# Altium PCB APC1_Wireless.PcbDoc
Units mm, origin at the board's own origin, x right, y up, seen from the top; angles counter-clockwise.
Board outline 44 x 44 mm, 2 copper layers (Top Layer, Bottom Layer), stack 1.569 mm thick; 23 components, 31 nets, 160 pads, 34 vias.
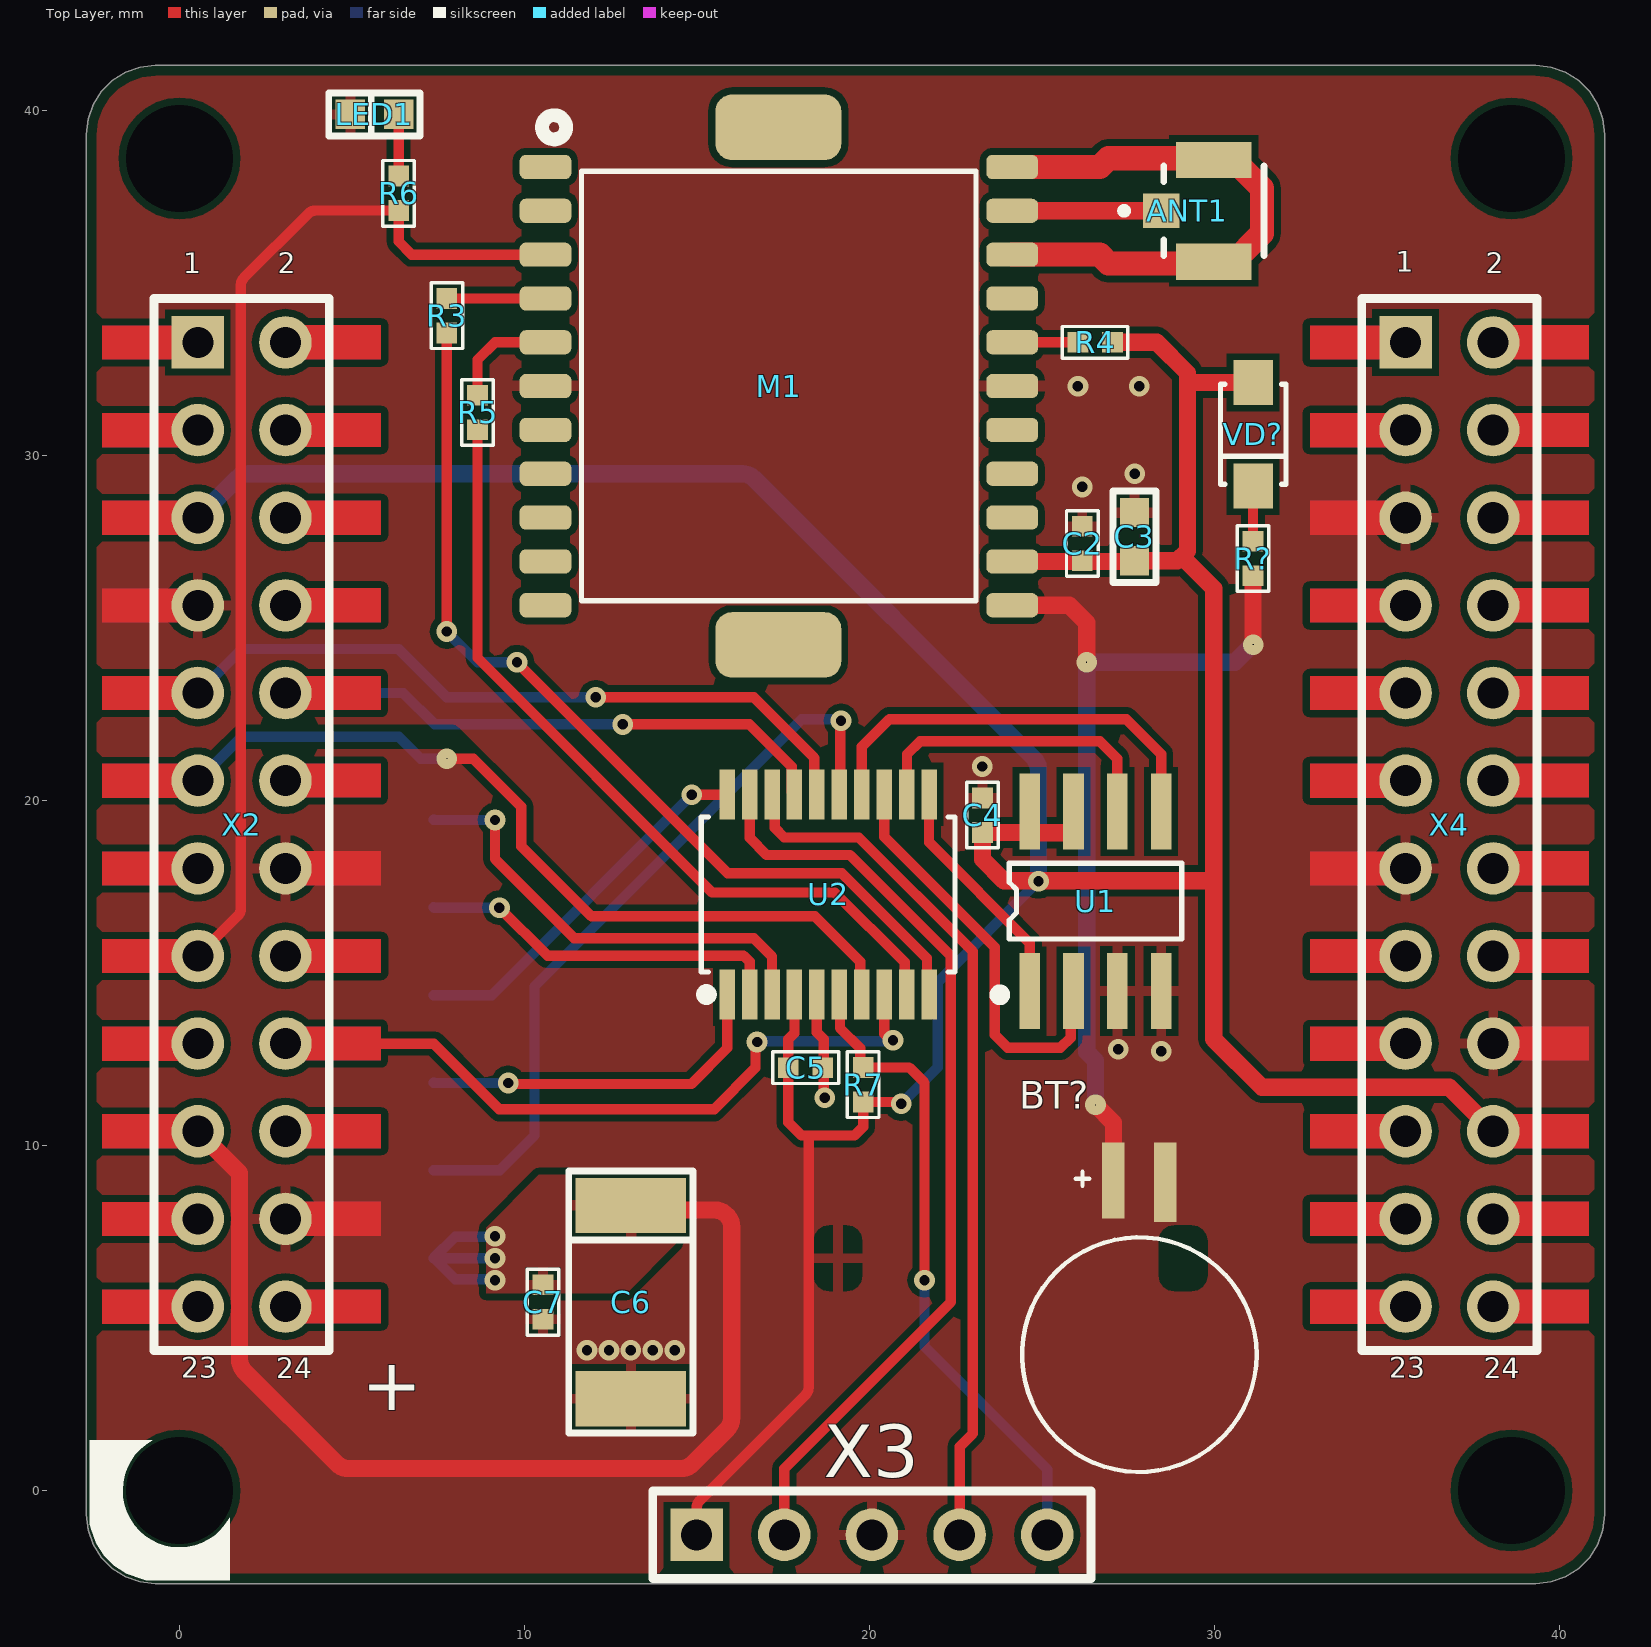
[diagram p0: Top Layer view]
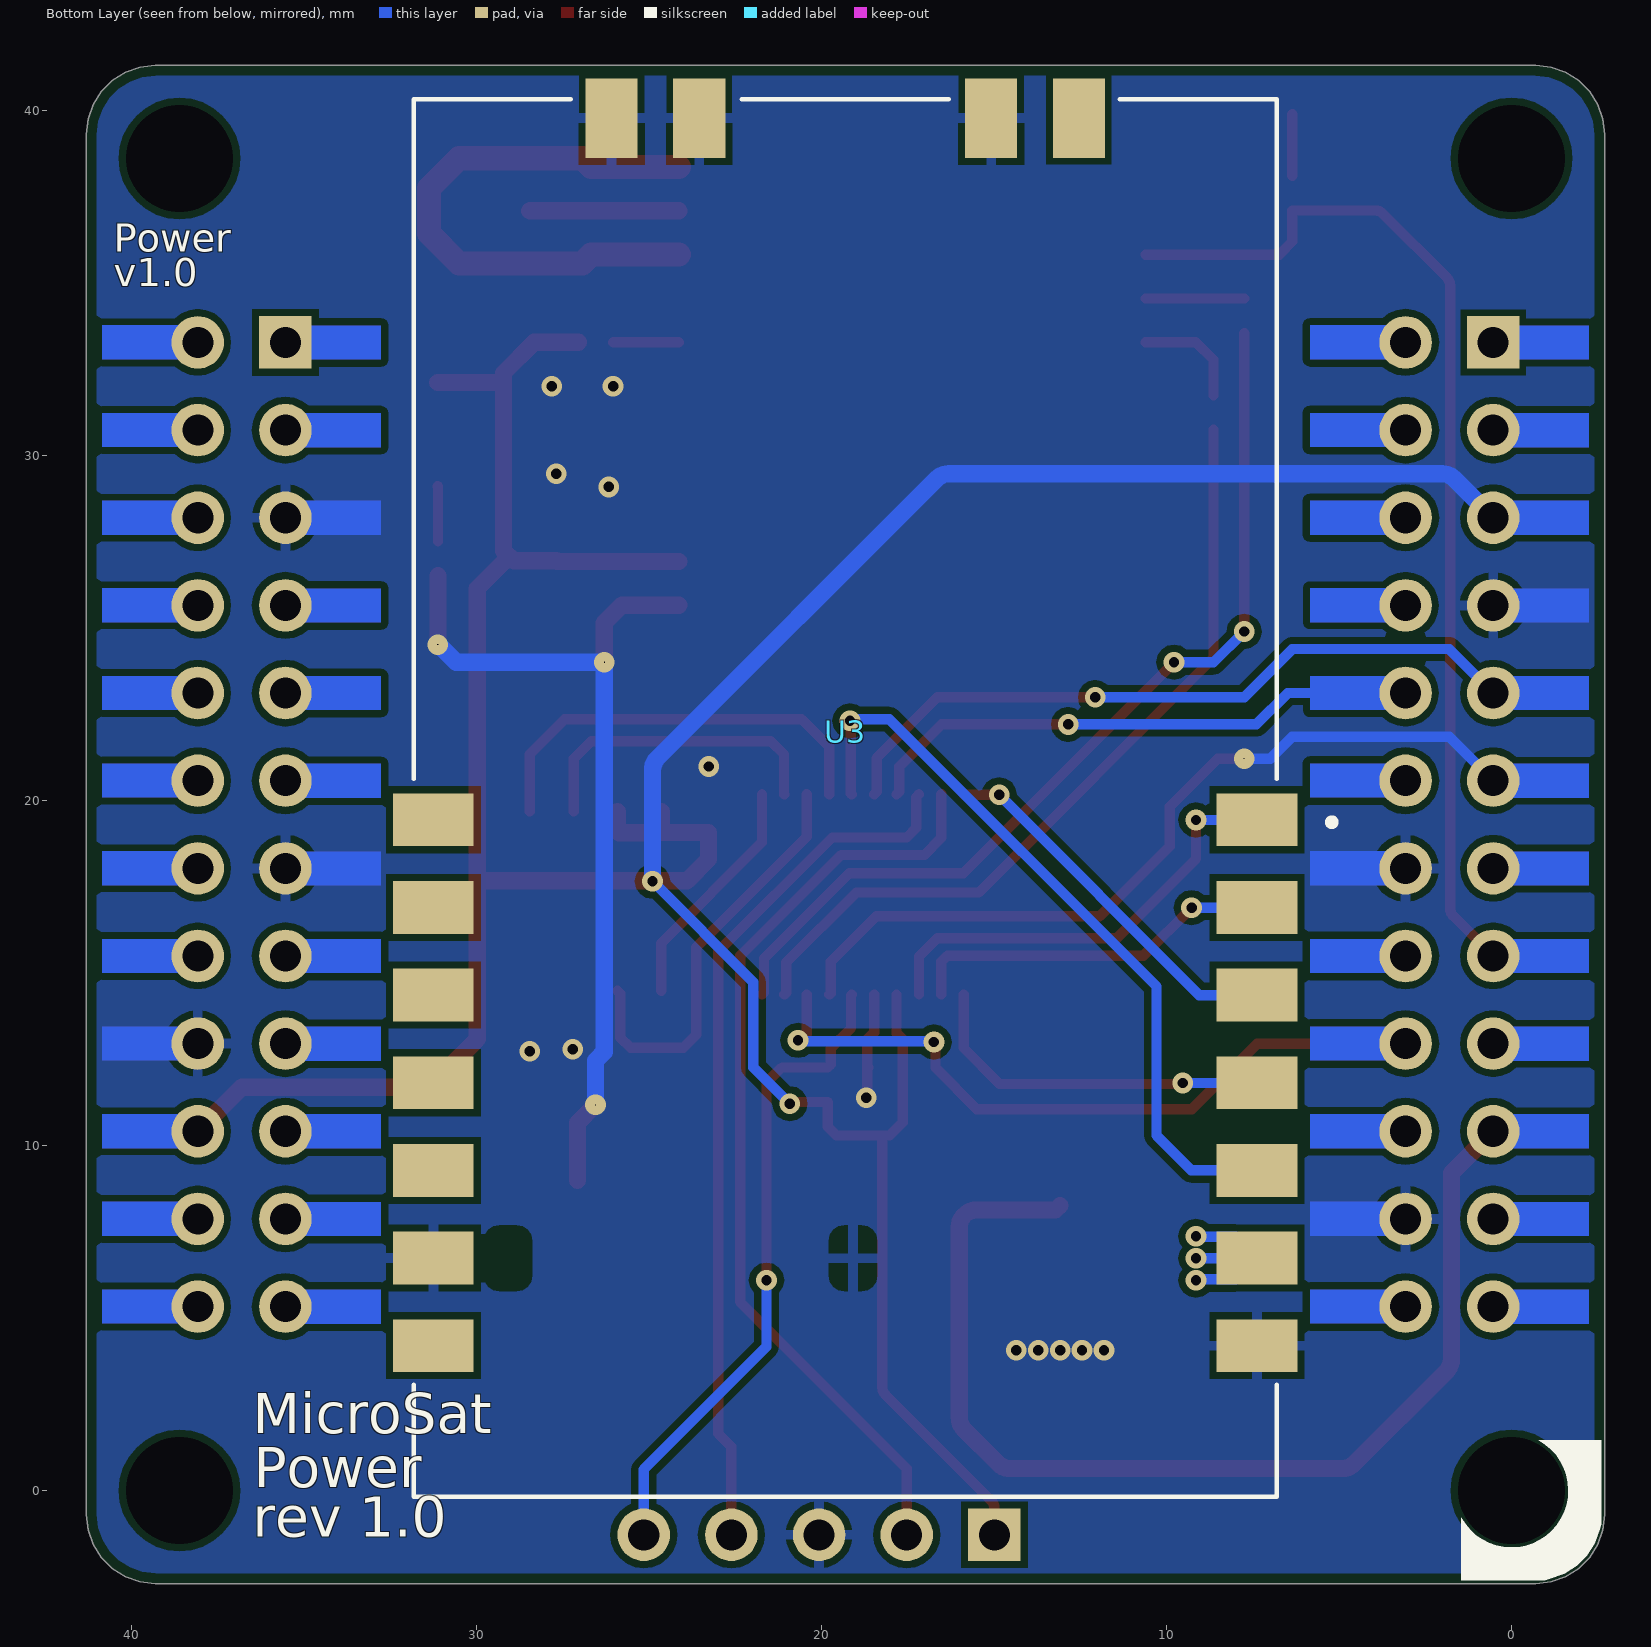
[diagram p1: Bottom Layer view, seen from below]

## Layer stack, top to bottom
Top Solder: solder mask 0.0254, SM-001, Dk 4
Top Layer: signal copper 0.035
Dielectric 1: core 1.4986, Core-043, Dk 4.3
Bottom Layer: signal copper 0.035
Bottom Solder: solder mask 0.0254, SM-001, Dk 4

## Board outline
-2.7,-0.7 -2.65,-1.145 -2.502,-1.568 -2.264,-1.947 -1.947,-2.264 -1.568,-2.502 -1.145,-2.65 -0.7,-2.7 39.3,-2.7 39.745,-2.65 40.168,-2.502 40.547,-2.264 40.864,-1.947 41.102,-1.568 41.25,-1.145 41.3,-0.7 41.3,39.3 41.25,39.745 41.102,40.168 40.864,40.547 40.547,40.864 40.168,41.102 39.745,41.25 39.3,41.3 -0.7,41.3 -1.145,41.25 -1.568,41.102 -1.947,40.864 -2.264,40.547 -2.502,40.168 -2.65,39.745 -2.7,39.3

## Design rules (kind name [scope] priority, off if disabled: settings)
BoardOutlineClearance [All] p1: gap=0.3 ignorepadtopadclearanceinfootprint=FALSE
Clearance Clearance_MultiLayerPad [OnLayer('Multi-Layer') and IsPad] p1: gap=0.2 ignorepadtopadclearanceinfootprint=FALSE except(0: Arc-Hole Track-Hole SMDPad-Hole THPad-Hole Via-Hole Fill-Hole Poly-Hole Region-Hole Text-Hole)
Clearance Clearance_Polygon [InPolygon] p2: gap=0.15 ignorepadtopadclearanceinfootprint=FALSE except(0: Arc-Hole Track-Hole SMDPad-Hole THPad-Hole Via-Hole Fill-Hole Poly-Hole Region-Hole Text-Hole; 0.2: Arc-Poly Arc-Region Track-Poly Track-Region SMDPad-Poly SMDPad-Region THPad-Poly THPad-Region Via-Poly Via-Region Fill-Poly Fill-Region Poly-Poly Poly-Region)
Clearance [All] p3: gap=0.15 ignorepadtopadclearanceinfootprint=FALSE except(0: Arc-Hole Track-Hole SMDPad-Hole THPad-Hole Via-Hole Fill-Hole Poly-Hole Region-Hole Text-Hole)
ComponentClearance [All] p1: gap=0.5 collisioncheckmode=3 verticalgap=0.5 showdistances=FALSE
DiffPairsRouting [All] p1: maxlimit=0.4 minlimit=0.15 mostfreqgap=0.3 toplayer_minwidth=0.15 toplayer_maxwidth=0.3 toplayer_prefwidth=0.15 bottomlayer_minwidth=0.15 bottomlayer_maxwidth=0.3 bottomlayer_prefwidth=0.15 maxuncoupledlength=12.7
Height [All] p1: minheight=0 maxheight=50 prefheight=12.7
HoleSize [All] p1: absolutevalues=TRUE maxlimit=10 minlimit=0.3 maxpercent=80.000 minpercent=20.000
HoleToHoleClearance [All] p1: gap=0.3 allowstackedmicrovias=TRUE
MinimumSolderMaskSliver [All] p1: minsoldermaskwidth=0.2
PlaneClearance [All] p1: clearance=0.5
PlaneConnect [All] p1: planeconnectstyle=Relief reliefexpansion=0.5 reliefentries=4 reliefconductorwidth=0.3 reliefairgap=0.2
PolygonConnect PolygonConnect_PadGND [InNet('GND') and IsPad] p1: connectstyle=Relief reliefconductorwidth=0.3 reliefentries=4 polygonreliefangle="90 Angle" airgapwidth=0.2
PolygonConnect PolygonConnect_Via [IsVia] p2: connectstyle=Direct reliefconductorwidth=0.254 reliefentries=4 polygonreliefangle="90 Angle" airgapwidth=0.254
PolygonConnect [All] p3: connectstyle=Relief reliefconductorwidth=0.3 reliefentries=4 polygonreliefangle="90 Angle" airgapwidth=0.2
RoutingVias [All] p1: holewidth=0.2 width=0.8 viastyle="Through Hole" minholewidth=0 minwidth=0.6 maxholewidth=0.4 maxwidth=1
SilkToSolderMaskClearance [IsPad] p1: minsilkscreentomaskgap=0.2 clearancetoexposedcopper=TRUE
SolderMaskExpansion [All] p1: expansion=0.075 istentingtop=FALSE
Width [All] p1: maxlimit=3 minlimit=0.2 preferedwidth=0.3 minimp=50.000000 maximp=50.000000 favimp=50.000000
21 further rules are at their usual default settings.

## Components (designator, comment, footprint, x,y, rotation, side; value= is the part's Value field where it differs from the comment)
ANT1 "Antenna?" IPEX-3P 29.972,37.084 r270 top
BT? "MS621FE-FL11E" BAT_MS621FE-FL11E 27.813,3.937 r90 top
C2 "CERCAP 0402 0.1uF * X7R" "CERCAP 0402" 26.162,27.44 r270 top value=0.1uF
C3 "CERCAP 0603 2.2uF * X7R" "CERCAP 0603" 27.674,27.642 r270 top value=2.2uF
C4 "CERCAP 0402 0.1uF * X7R" "CERCAP 0402" 23.268,19.57 r270 top value=0.1uF
C5 "CERCAP 0402 0.1uF * X7R" "CERCAP 0402" 18.144,12.252 r180 top value=0.1uF
C6 "TECAP C 220uF * X7R" "TECAP C" 13.081,5.461 r270 top value=220uF
C7 "CERCAP 0402 0.1uF * X7R" "CERCAP 0402" 10.533,5.461 r90 top value=0.1uF
LED1 "LED 0603 *" "LED 0603" 5.65,39.878 r180 top
M1 "ML8088sE" MODULE_ML8088S 17.367,32.004 r0 top
R3 "RES 0402 330" "RES 0402" 7.747,34.044 r90 top value=330
R4 "RES 0402 10k" "RES 0402" 26.535,33.274 r180 top value=10k
R5 "RES 0402 330" "RES 0402" 8.636,31.242 r90 top value=330
R6 "RES 0402 4.7k" "RES 0402" 6.35,37.592 r270 top value=4.7k
R7 "RES 0402 10k" "RES 0402" 19.814,11.76 r270 top value=10k
R? "RES 0402 330" "RES 0402" 31.107,27.008 r90 top value=330
U1 "W25Q64JVSSIQ?" SO-8 26.543,17.078 r0 top
U2 "STM32G030F6P6" TSSOP-20 18.796,17.272 r90 top
U3 "E22-900T30S" E22-900T30S 19.308,20.067 r0 bottom locked
VD? "Shottly diode SOD-123" SOD-123 31.115,30.607 r270 top
X2 "PLD24 + PBD24" PICOSAT_CNN 1.8,19.3 r270 top locked (schematic designator X1)
X3 "Header?" PLS-5R-2.54 20.066,-1.283 r0 top
X4 "PLD24 + PBD24" PICOSAT_CNN 36.8,19.3 r270 top locked (schematic designator X2)

## Footprints (in the part's own frame and the unit in brackets; to place one, negate y for a bottom-side part, rotate by r counter-clockwise, add the part's x,y. Pads: shape width x height; smd on the part's side, far side on the other; paste and mask are expansions set on the pad)
BAT_MS621FE-FL11E [mm]
  rect 2.3x0.65 smd: NEG(5,-0.75)
  rect 2.2x0.65 smd: POS(5.05,0.75)
  silkscreen extent -3.4,-3.4 5.3,3.4
"CERCAP 0402" [mm]
  rect 0.6x0.6 smd: 1(-0.5,0) 2(0.5,0)
  silkscreen extent -0.96,-0.46 0.95,0.46, body extent -0.51,-0.25 0.51,0.25, height 0.51
"CERCAP 0603" [mm]
  rect 0.85x0.85 smd: 1(-0.7,0) 2(0.7,0)
  silkscreen extent -1.33,-0.63 1.33,0.63, body extent -0.8,-0.4 0.8,0.4, height 0.3
E22-900T30S [mm]
  rect 2.34x1.53 smd: 1(-11.935,0.63) 2(-11.935,3.17) 3(-11.935,5.71) 4(-11.935,8.25) 5(-11.935,10.79) 6(-11.935,13.33) 7(-11.935,15.87) 8(11.935,15.87) 9(11.935,13.33) 10(11.935,10.79) 11(11.935,8.25) 12(11.935,5.71) 13(11.935,3.17) 14(11.935,0.63)
  rect 1.51x2.31 smd: 15(6.77,-19.7) 16(4.23,-19.7) 17(-4.23,-19.7) 18(-6.77,-19.7)
  silkscreen extent -14.2,-20.25 12.5,20.25, body extent -12.5,-20.25 12.5,20.25, height 3.83
IPEX-3P [mm]
  rect 1.05x2.2 smd: 0(-1.475,0) 0(1.475,0)
  rect 1x1.05 smd: 1(0,-1.525)
  silkscreen extent -1.3,-2.7 1.3,1.45
"LED 0603" [mm]
  rect 0.85x0.85 smd: 1(-0.7,0) 2(0.7,0)
  silkscreen extent -1.33,-0.63 1.33,0.63, body extent -0.8,-0.4 0.8,0.4, height 0.6
MODULE_ML8088S [mm]
  rrect50% 1.5x0.7 smd: 1(-6.762,6.35) 2(-6.762,5.08) 3(-6.762,3.81) 4(-6.762,2.54) 5(-6.762,1.27) 6(-6.762,0) 7(-6.762,-1.27) 8(-6.762,-2.54) 9(-6.762,-3.81) 10(-6.762,-5.08) 11(-6.762,-6.35) 12(6.763,-6.35) 13(6.763,-5.08) 14(6.763,-3.81) 15(6.763,-2.54) 16(6.763,-1.27) 17(6.763,0) 18(6.763,1.27) 19(6.763,2.54) 20(6.763,3.81) 21(6.763,5.08) 22(6.763,6.35)
  rrect50% 3.65x1.9 smd: ""(-0.012,-7.5) ""(-0.012,7.5)
  silkscreen extent -6.86,-6.22 5.71,7.85, body extent -6.51,-7.51 6.49,7.49, height 2.8
PICOSAT_CNN [mil]
  rect 60x60 hole 35.43: 1(-550,-50)
  round 60 hole 35.43: 2(-550,50) 3(-450,-50) 4(-450,50) 5(-350,-50) 6(-350,50) 7(-250,-50) 8(-250,50) 9(-150,-50) 10(-150,50) 11(-50,-50) 12(-50,50) 13(50,-50) 14(50,50) 15(150,-50) 16(150,50) 17(250,-50) 18(250,50) 19(350,-50) 20(350,50) 21(450,-50) 22(450,50) 23(550,-50) 24(550,50)
  Top Layer region: -369.45,-159.17 -330.39,-159.17 -330.39,-54.5 -369.45,-54.5
  Top Layer region: 569.45,159.17 530.39,159.17 530.39,54.5 569.45,54.5
  Top Layer region: 530.55,-159.17 569.61,-159.17 569.61,-54.5 530.55,-54.5
  Top Layer region: 469.45,159.17 430.39,159.17 430.39,54.5 469.45,54.5
  Top Layer region: 430.55,-159.17 469.61,-159.17 469.61,-54.5 430.55,-54.5
  Top Layer region: 369.45,159.17 330.39,159.17 330.39,54.5 369.45,54.5
  Top Layer region: 330.55,-159.17 369.61,-159.17 369.61,-54.5 330.55,-54.5
  Top Layer region: 269.45,159.17 230.39,159.17 230.39,54.5 269.45,54.5
  Top Layer region: 230.55,-159.17 269.61,-159.17 269.61,-54.5 230.55,-54.5
  Top Layer region: 169.45,159.17 130.39,159.17 130.39,54.5 169.45,54.5
  Top Layer region: 130.55,-159.17 169.61,-159.17 169.61,-54.5 130.55,-54.5
  Top Layer region: 69.45,159.17 30.39,159.17 30.39,54.5 69.45,54.5
  Top Layer region: 30.55,-159.17 69.61,-159.17 69.61,-54.5 30.55,-54.5
  Top Layer region: -30.55,159.17 -69.61,159.17 -69.61,54.5 -30.55,54.5
  Top Layer region: -69.45,-159.17 -30.39,-159.17 -30.39,-54.5 -69.45,-54.5
  Top Layer region: -130.55,159.17 -169.61,159.17 -169.61,54.5 -130.55,54.5
  Top Layer region: -169.45,-159.17 -130.39,-159.17 -130.39,-54.5 -169.45,-54.5
  Top Layer region: -230.55,159.17 -269.61,159.17 -269.61,54.5 -230.55,54.5
  Top Layer region: -269.45,-159.17 -230.39,-159.17 -230.39,-54.5 -269.45,-54.5
  Top Layer region: -330.55,159.17 -369.61,159.17 -369.61,54.5 -330.55,54.5
  Top Layer region: -430.55,159.17 -469.61,159.17 -469.61,54.5 -430.55,54.5
  Top Layer region: -469.45,-159.17 -430.39,-159.17 -430.39,-54.5 -469.45,-54.5
  Top Layer region: -530.55,159.17 -569.61,159.17 -569.61,54.5 -530.55,54.5
  Top Layer region: -569.45,-159.17 -530.39,-159.17 -530.39,-54.5 -569.45,-54.5
  Bottom Layer region: -369.45,-159.17 -330.39,-159.17 -330.39,-54.5 -369.45,-54.5
  Bottom Layer region: 569.45,159.17 530.39,159.17 530.39,54.5 569.45,54.5
  Bottom Layer region: -569.45,-159.17 -530.39,-159.17 -530.39,-54.5 -569.45,-54.5
  Bottom Layer region: -530.55,159.17 -569.61,159.17 -569.61,54.5 -530.55,54.5
  Bottom Layer region: -469.45,-159.17 -430.39,-159.17 -430.39,-54.5 -469.45,-54.5
  Bottom Layer region: -430.55,159.17 -469.61,159.17 -469.61,54.5 -430.55,54.5
  Bottom Layer region: -330.55,159.17 -369.61,159.17 -369.61,54.5 -330.55,54.5
  Bottom Layer region: -269.45,-159.17 -230.39,-159.17 -230.39,-54.5 -269.45,-54.5
  Bottom Layer region: -230.55,159.17 -269.61,159.17 -269.61,54.5 -230.55,54.5
  Bottom Layer region: -169.45,-159.17 -130.39,-159.17 -130.39,-54.5 -169.45,-54.5
  Bottom Layer region: -130.55,159.17 -169.61,159.17 -169.61,54.5 -130.55,54.5
  Bottom Layer region: -69.45,-159.17 -30.39,-159.17 -30.39,-54.5 -69.45,-54.5
  Bottom Layer region: -30.55,159.17 -69.61,159.17 -69.61,54.5 -30.55,54.5
  Bottom Layer region: 30.55,-159.17 69.61,-159.17 69.61,-54.5 30.55,-54.5
  Bottom Layer region: 69.45,159.17 30.39,159.17 30.39,54.5 69.45,54.5
  Bottom Layer region: 130.55,-159.17 169.61,-159.17 169.61,-54.5 130.55,-54.5
  Bottom Layer region: 169.45,159.17 130.39,159.17 130.39,54.5 169.45,54.5
  Bottom Layer region: 230.55,-159.17 269.61,-159.17 269.61,-54.5 230.55,-54.5
  Bottom Layer region: 269.45,159.17 230.39,159.17 230.39,54.5 269.45,54.5
  Bottom Layer region: 330.55,-159.17 369.61,-159.17 369.61,-54.5 330.55,-54.5
  Bottom Layer region: 369.45,159.17 330.39,159.17 330.39,54.5 369.45,54.5
  Bottom Layer region: 430.55,-159.17 469.61,-159.17 469.61,-54.5 430.55,-54.5
  Bottom Layer region: 469.45,159.17 430.39,159.17 430.39,54.5 469.45,54.5
  Bottom Layer region: 530.55,-159.17 569.61,-159.17 569.61,-54.5 530.55,-54.5
  silkscreen extent -600,-100 600,100, body extent -600,-148 600,148, height 386
PLS-5R-2.54 [mil]
  rect 60x60 hole 35.43: 1(-200,0)
  round 60 hole 35.43: 2(-100,0) 3(0,0) 4(100,0) 5(200,0)
  silkscreen extent -250,-50 250,50, body extent -250,-50 250,289, height 230
"RES 0402" [mm]
  rect 0.6x0.6 smd: 1(-0.5,0) 2(0.5,0)
  silkscreen extent -0.95,-0.46 0.95,0.46, body extent -0.52,-0.25 0.48,0.25, height 0.34
SO-8 [mm] "Small Outline; 8 Leads; Body Width 3.9 mm; Pitch 1.27 mm"
  rect 0.6x2.2 smd mask+0.05: 1(-1.905,-2.6) 2(-0.635,-2.6) 3(0.635,-2.6) 4(1.905,-2.6) 5(1.905,2.6) 6(0.635,2.6) 7(-0.635,2.6) 8(-1.905,2.6)
  silkscreen extent -2.92,-2.86 2.5,1.1, body extent -2.45,-3.07 2.44,3.07, height 1.73
SOD-123 [mm] "SODFL, 2-Leads, Body 1,80x3,65mm, IPC Medium Density"
  rect 1.3x1.15 smd: A(-1.5,0) C(1.5,0)
  silkscreen extent -1.45,-0.95 1.45,0.95, body extent -1.82,-0.95 1.82,0.95, height 1.1
"TECAP C" [mm]
  rect 1.6x3.2 smd: 1(-2.8,0) 2(2.8,0)
  silkscreen extent -3.8,-1.8 3.8,1.8, body extent -3.05,-1.68 3.05,1.68, height 2.7
TSSOP-20 [mm]
  rect 1.45x0.45 smd mask+0.05: 1(-2.9,2.925) 2(-2.9,2.275) 3(-2.9,1.625) 4(-2.9,0.975) 5(-2.9,0.325) 6(-2.9,-0.325) 7(-2.9,-0.975) 8(-2.9,-1.625) 9(-2.9,-2.275) 10(-2.9,-2.925) 11(2.9,-2.925) 12(2.9,-2.275) 13(2.9,-1.625) 14(2.9,-0.975) 15(2.9,-0.325) 16(2.9,0.325) 17(2.9,0.975) 18(2.9,1.625) 19(2.9,2.275) 20(2.9,2.925)
  silkscreen extent -3.05,-3.67 2.25,3.67, body extent -3.3,-3.27 3.3,3.32, height 1.2

## Part data
ANT1: library part Antenna, "HF con", IsSMT=NoSMT
BT?: "Coin, 6.8mm 3V Lithium Battery Rechargeable (Secondary) 5.5mAh", Package="QFP-128 Seiko", Availability="In Stock", Check_prices=https://www.snapeda.com/parts/MS621FE-FL11E/Seiko%20Instruments/view-part/6886595/?ref=eda, MF="Seiko Instruments", MP=MS621FE-FL11E, Price=None, Purchase-URL=https://pricing.snapeda.com/search/part/MS621FE-FL11E/?ref=eda, SnapEDA_Link=https://www.snapeda.com/parts/MS621FE-FL11E/Seiko%20Instruments/view-part/6886595/?ref=snap
C2 C3 C4 C5 C7: library part !Capacitor, "Capacitor", Diel=X7R, IsSMT=NoSMT
C6: library part CapacitorP, "Capacitor Polar", Diel=X7R, IsSMT=NoSMT
LED1: library part LED, "Light Emittering Diode", IsSMT=NoSMT
M1: library part GNSS_NAVIA_ML8088sE, "GNSS 50km", Order=ML8088sl
R3 R4 R5 R6 R7 R?: library part !Resistor, "Resistor", IsSMT=NoSMT
U1: library part Flash
U2: "Cortex-M0+"
U3: "LORA RF"
VD?: library part DiodeS, "Diode Shottky", IsSMT=NoSMT
X2 X4: library part "Header 2x12", "10x2 header", IsSMT=NoSMT, Purpose=Purpose?
X3: library part "Header 1x5", "5x1 header", IsSMT=NoSMT, Purpose=Purpose?

## Free pads (board coordinates)
  round 3 hole 3.1: 1(0,0) 1(0,38.6) 1(38.6,0) 1(38.6,38.6)

## Via types
v1: diameter 0.6, hole 0.3, Top Layer to Bottom Layer, tented both sides, 30 vias
v2: diameter 0.6, hole 0, Top Layer to Bottom Layer, 4 vias

## Nets (pads, with @x,y where several pads share a name; then routed paths per layer and width w, separated by ;. In a path a pad name is that pad's centre, name@x,y a point inside that pad or via, vN(x,y) a via of type N, cw(c..) or ccw(c..) an arc to the next point about the centre after c; other vN are vias at no path point)
1_PPS: M1.3 R6.2 X2.15 | length 30.8
  Top Layer w0.3: X2.15 1.69,16.65 ccw(c1.478,16.862) 1.778,16.862 1.778,34.929 cw(c2.078,34.928) 1.865,35.139 3.731,37.005 cw(c3.942,36.792) 3.942,37.092 R6.2 6.35,36.195 6.731,35.814 M1.3
+3.3V: C2.2 C3.2 C4.2 C5.2 M1.13 R4.1 R7.2 U1.7 U1.8 U2.4 VD?.A X2.5 X3.1 X4.20 | length 110.8
  Top Layer w0.3: X3.1 14.986,-0.504 cw(c15.286,-0.505) 15.073,-0.294 18.146,2.779 ccw(c17.933,2.99) 18.233,2.99 18.233,10.287 ; U2.4 17.821,13.249 17.644,13.072 C5.2 17.644,10.677 18.034,10.287 18.233,10.287 ; v1@20.955,11.176 20.871,11.26 R7.2 19.812,11.258 19.812,10.541 19.558,10.287 18.233,10.287
  Top Layer w0.5: C4.2@23.272,19.067 C4.2 ; M1.13 C3.2@27.672,26.924 ; U1.8 U1.8@24.638,19.12 ; U1.7 25.908,19.113 25.858,19.063 24.688,19.063 24.638,19.113 U1.8@24.638,19.12 ; R4.1 28.321,33.274 29.21,32.385 29.21,32.131 ; C3.2 28.917,26.942 29.21,27.235 29.21,32.131 ; 29.042,27.067 29.972,26.138 29.972,17.526 ; VD?.A 29.234,32.107 29.21,32.131 ; X4.20 36.796,11.684 31.369,11.684 29.972,13.081 29.972,17.526 ; C4.2 24.588,19.07 U1.8@24.638,19.12 ; C4.2 23.268,18.292 23.89,17.67 29.828,17.67 29.972,17.526
  Bottom Layer w0.3: v1(20.912,11.208) 21.971,12.267 21.971,14.732 v1(24.892,17.653)
  Bottom Layer w0.5: X2.5 1.658,29.318 cw(c2.011,28.964) 2.011,29.464 16.303,29.464 cw(c16.303,28.964) 16.656,29.318 24.746,21.228 cw(c24.392,20.875) 24.892,20.875 v1(24.892,17.653)
+5V: C6.1 C7.2 U3.6 X2.19 | length 38.1
  Top Layer w0.5: X2.19 1.742,9.198 1.742,3.799 ccw(c2.242,3.799) 1.888,3.446 4.553,0.781 ccw(c4.906,1.135) 4.906,0.635 14.525,0.635 ccw(c14.525,1.135) 14.878,0.781 15.857,1.76 ccw(c15.502,2.112) 16.002,2.112 16.002,7.63 ccw(c15.502,7.628) 15.502,8.128 13.214,8.128 C6.1
  Bottom Layer w0.305: v1(9.144,6.096) 9.116,6.124 7.986,6.124 U3.6@7.379,6.731 ; v1(9.144,6.731) U3.6@7.379,6.731 ; v1(9.144,7.366) 9.128,7.35 7.986,7.35 U3.6 U3.6@7.379,6.731
AUX: U2.15 U3.5 | length 21.9
  Top Layer w0.3: U2.15 19.146,20.197 19.146,22.278 v1(19.17,22.302)
  Bottom Layer w0.3: U3.5 9.277,9.277 10.287,10.287 10.287,14.605 18.034,22.352 19.12,22.352 v1(19.17,22.302)
GND: BT?.NEG C2.1 C3.1 C4.1 C5.1 C6.2 C7.1 LED1.2 M1.6 M1.17 U1.3 U1.4 U2.5 U3.7 U3.9 U3.15 U3.16 U3.17 X2.7 X2.14 X2.22 X3.3 X4.5 X4.13 X4.18 | length 3.1
  Top Layer w0.3: U2.5 18.471,13.279 18.669,13.081 18.669,12.277 C5.1 18.67,12.226 18.67,11.404 v1(18.696,11.379)
  other v1: 11.811,4.064 12.446,4.064 13.081,4.064 13.716,4.064 14.351,4.064 28.449,12.728 27.2,12.79 23.263,20.983 26.162,29.083 27.686,29.464 26.035,32.004 27.813,32.004
GPS_GND: ANT1.0 M1.20 M1.22 | length 16.7
  Top Layer w0.7: M1.20 26.67,35.814 26.924,35.56 30.498,35.56 31.369,36.431 31.369,37.737 30.498,38.608 26.924,38.608 26.67,38.354 M1.22
I2C2_SCL: U2.16 X2.9 | length 20.8
  Top Layer w0.3: v1(12.065,22.987) 16.637,22.987 18.396,21.228 18.396,20.247 U2.16
  Bottom Layer w0.3: X2.9 1.804,24.384 6.35,24.384 7.747,22.987 v1(12.065,22.987)
I2C2_SDA: U2.17 X2.10 | length 16.4
  Top Layer w0.3: v1(12.848,22.2) 16.517,22.2 17.746,20.971 17.746,20.247 U2.17
  Bottom Layer w0.3: X2.10 6.481,23.11 7.391,22.2 v1(12.848,22.2)
M0: U2.3 U3.1 | length 13.2
  Top Layer w0.3: v1(9.144,19.431) 9.144,18.299 11.441,16.002 16.637,16.002 17.171,15.468 U2.3
  Bottom Layer w0.3: U3.1 7.379,19.431 v1(9.144,19.431)
M1: U2.2 U3.2 | length 10.7
  Top Layer w0.3: v1(9.271,16.891) 10.668,15.494 16.345,15.494 16.521,15.318 U2.2
  Bottom Layer w0.3: U3.2 7.379,16.891 v1(9.271,16.891)
MEM_CS: U1.1 U2.11 | length 6.9
  Top Layer w0.3: U2.11 21.721,18.78 24.638,15.863 U1.1
MEM_MISO: U1.2 U2.13 | length 12.2
  Top Layer w0.3: U2.13 20.421,18.949 23.622,15.748 23.622,13.208 24.003,12.827 25.527,12.827 25.825,13.125 25.825,14.395 U1.2
MEM_MOSI: U1.5 U2.14 | length 12.5
  Top Layer w0.3: U2.14 19.771,21.549 20.574,22.352 27.432,22.352 28.448,21.336 U1.5
MEM_SCK: U1.6 U2.12 | length 9.2
  Top Layer w0.3: U2.12 21.082,20.183 21.082,21.336 21.463,21.717 26.67,21.717 27.178,21.209 U1.6
NetANT1_1: ANT1.1 M1.21 | length 4.3
  Top Layer w0.5: M1.21 ANT1.1
NetBT?_POS: BT?.POS M1.12 R?.1 | length 25.9
  Top Layer w0.5: M1.12 25.781,25.654 26.289,25.146 v2(26.289,24.003) ; v2(26.543,11.176) 27.063,10.656 BT?.POS ; R?.1 31.111,26.504 31.111,24.515 v2(31.115,24.511)
  Bottom Layer w0.5: v2(26.543,11.176) 26.543,12.456 26.289,12.71 v2(26.289,24.003) 30.58,24.003 31.088,24.511 v2(31.115,24.511)
NetLED1_1: LED1.1 R6.1 | length 1.8
  Top Layer w0.3: R6.1 LED1.1
NetM1_4: M1.4 R3.2 | length 2.9
  Top Layer w0.3: R3.2 M1.4
NetM1_5: M1.5 R5.2 | length 3.2
  Top Layer w0.3: R5.2 8.636,32.766 9.144,33.274 M1.5
NetM1_18: M1.18 R4.2 | length 1.9
  Top Layer w0.3: M1.18 R4.2
NetR7_1: R7.1 U2.6 X3.5 | length 18.9
  Top Layer w0.3: U2.6 19.139,14.354 19.139,13.403 19.73,12.812 19.73,12.344 R7.1 21.141,12.26 21.59,11.811 v1(21.59,6.096)
  Bottom Layer w0.3: v1(21.59,6.096) 21.59,4.166 25.146,0.61 X3.5
NetR?_2: R?.2 VD?.C | length 1.6
  Top Layer w0.3: R?.2 31.107,29.099 VD?.C
ProgBoot: U2.7 X2.11 | length 24.1
  Top Layer w0.3: v2(7.747,21.209) 8.509,21.209 9.906,19.812 9.906,18.669 11.938,16.637 18.415,16.637 19.732,15.32 19.732,14.411 U2.7
  Bottom Layer w0.3: X2.11 1.804,21.844 6.35,21.844 6.985,21.209 v2(7.747,21.209)
ProgRST: U2.8 X2.18 | length 21
  Top Layer w0.3: X2.18 7.37,12.95 9.271,11.049 15.494,11.049 16.691,12.246 16.691,12.949 v1(16.738,12.996) ; U2.8 20.421,13.234 v1@20.574,13.081
  Bottom Layer w0.3: v1(16.738,12.996) 16.762,13.02 20.651,13.02 v1(20.676,13.044)
SYS_SWCLK: U2.19 X3.2 | length 27.3
  Top Layer w0.3: U2.19 16.521,18.912 17.018,18.415 19.431,18.415 22.352,15.494 22.352,5.461 17.526,0.635 X3.2
SYS_SWDIO: U2.18 X3.4 | length 25.3
  Top Layer w0.3: U2.18 17.246,20.097 17.246,19.203 17.526,18.923 19.685,18.923 22.987,15.621 22.987,1.651 22.606,1.27 X3.4
USART1_RX: U2.1 U3.4 | length 10.5
  Top Layer w0.3: v1(9.525,11.811) 9.557,11.779 14.827,11.779 15.871,12.823 U2.1
  Bottom Layer w0.3: U3.4 7.379,11.811 v1(9.525,11.811)
USART1_TX: U2.20 U3.3 | length 10.9
  Top Layer w0.3: v1(14.848,20.159) 15.858,20.159 U2.20
  Bottom Layer w0.3: U3.3 9.045,14.357 v1(14.848,20.159)
USART2_RX: R3.1 U2.10 | length 27.6
  Top Layer w0.3: v1(7.747,24.892) R3.1 ; v1(9.779,24.003) 15.891,17.891 19.193,17.891 21.66,15.424 21.66,14.433 U2.10
  Bottom Layer w0.3: v1(7.747,24.892) 8.636,24.003 v1(9.779,24.003)
USART2_TX: R5.1 U2.9 | length 23.6
  Top Layer w0.3: R5.1 8.636,24.13 15.438,17.328 18.994,17.328 21.017,15.305 21.017,14.426 U2.9
VBAT: X2.24
pads on no net: M1. M1.1 M1.2 M1.7 M1.8 M1.9 M1.10 M1.11 M1.14 M1.15 M1.16 M1.19 U3.8 U3.10 U3.11 U3.12 U3.13 U3.14 U3.18 X2.1 X2.2 X2.3 X2.4 X2.6 X2.8 X2.12 X2.13 X2.16 X2.17 X2.20 X2.21 X2.23 X4.1 X4.2 X4.3 X4.4 X4.6 X4.7 X4.8 X4.9 X4.10 X4.11 X4.12 X4.14 X4.15 X4.16 X4.17 X4.19 X4.21 X4.22 X4.23 X4.24

## Polygon pours and split planes (outlines as drawn)
GND on Top Layer "TOP_GND" (solid, remove dead copper, pour order 2): -2.7,-0.7 -2.65,-1.145 -2.502,-1.568 -2.264,-1.947 -1.947,-2.264 -1.568,-2.502 -1.145,-2.65 -0.7,-2.7 39.3,-2.7 39.745,-2.65 40.168,-2.502 40.547,-2.264 40.864,-1.947 41.102,-1.568 41.25,-1.145 41.3,-0.7 41.3,39.3 41.25,39.745 41.102,40.168 40.864,40.547 40.547,40.864 40.168,41.102 39.745,41.25 39.3,41.3 -0.7,41.3 -1.145,41.25 -1.568,41.102 -1.947,40.864 -2.264,40.547 -2.502,40.168 -2.65,39.745 -2.7,39.3
+5V on Top Layer "+5V_L01_P000" (solid, remove dead copper, pour order 0): 8.89,5.715 12.954,5.715 14.732,7.493 14.732,9.144 10.414,9.144 8.89,7.62
GND on Bottom Layer "BOT_GND" (solid, remove dead copper, pour order 1): -2.7,-0.7 -2.65,-1.145 -2.502,-1.568 -2.264,-1.947 -1.947,-2.264 -1.568,-2.502 -1.145,-2.65 -0.7,-2.7 39.3,-2.7 39.745,-2.65 40.168,-2.502 40.547,-2.264 40.864,-1.947 41.102,-1.568 41.25,-1.145 41.3,-0.7 41.3,39.3 41.25,39.745 41.102,40.168 40.864,40.547 40.547,40.864 40.168,41.102 39.745,41.25 39.3,41.3 -0.7,41.3 -1.145,41.25 -1.568,41.102 -1.947,40.864 -2.264,40.547 -2.502,40.168 -2.65,39.745 -2.7,39.3

## Silkscreen, mask and mechanical layers (free items; w line width, h text height)
Top Overlay:
  region: -2.551,-1.123 -2.6,-0.985 -2.6,1.45 -0.791,1.45 ccw(c0,0) 1.45,-0.791 1.45,-2.6 -0.985,-2.6 -1.112,-2.555 -1.524,-2.411 -1.884,-2.185 -2.185,-1.884 -2.411,-1.524
  text "1" at 35.242,35.11 h1.02
  text "1" at 0.104,35.079 h1.02
  text "2" at 2.854,35.079 h1.02
  text "2" at 37.854,35.079 h1.02
  text "23" at 0.05,3.063 h1.02
  text "24" at 2.8,3.05 h1.02
  text "23" at 35.05,3.063 h1.02
  text "24" at 37.8,3.05 h1.02
  text "+" at 5.28,2.324 h1.52
Bottom Overlay:
  region: -2.551,-1.123 -2.6,-0.985 -2.6,1.45 -0.791,1.45 ccw(c0,0) 1.45,-0.791 1.45,-2.6 -0.985,-2.6 -1.112,-2.555 -1.524,-2.411 -1.884,-2.185 -2.185,-1.884 -2.411,-1.524
  text "Power" at 40.5,35.618 h1.4
  text "v1.0" at 40.5,34.618 h1.4
  text "MicroSat" at 36.482,1.268 h2
  text "Power" at 36.444,-0.29 h2
  text "rev 1.0" at 36.482,-1.732 h2